# KiCad board panel.kicad_pcb (continued)
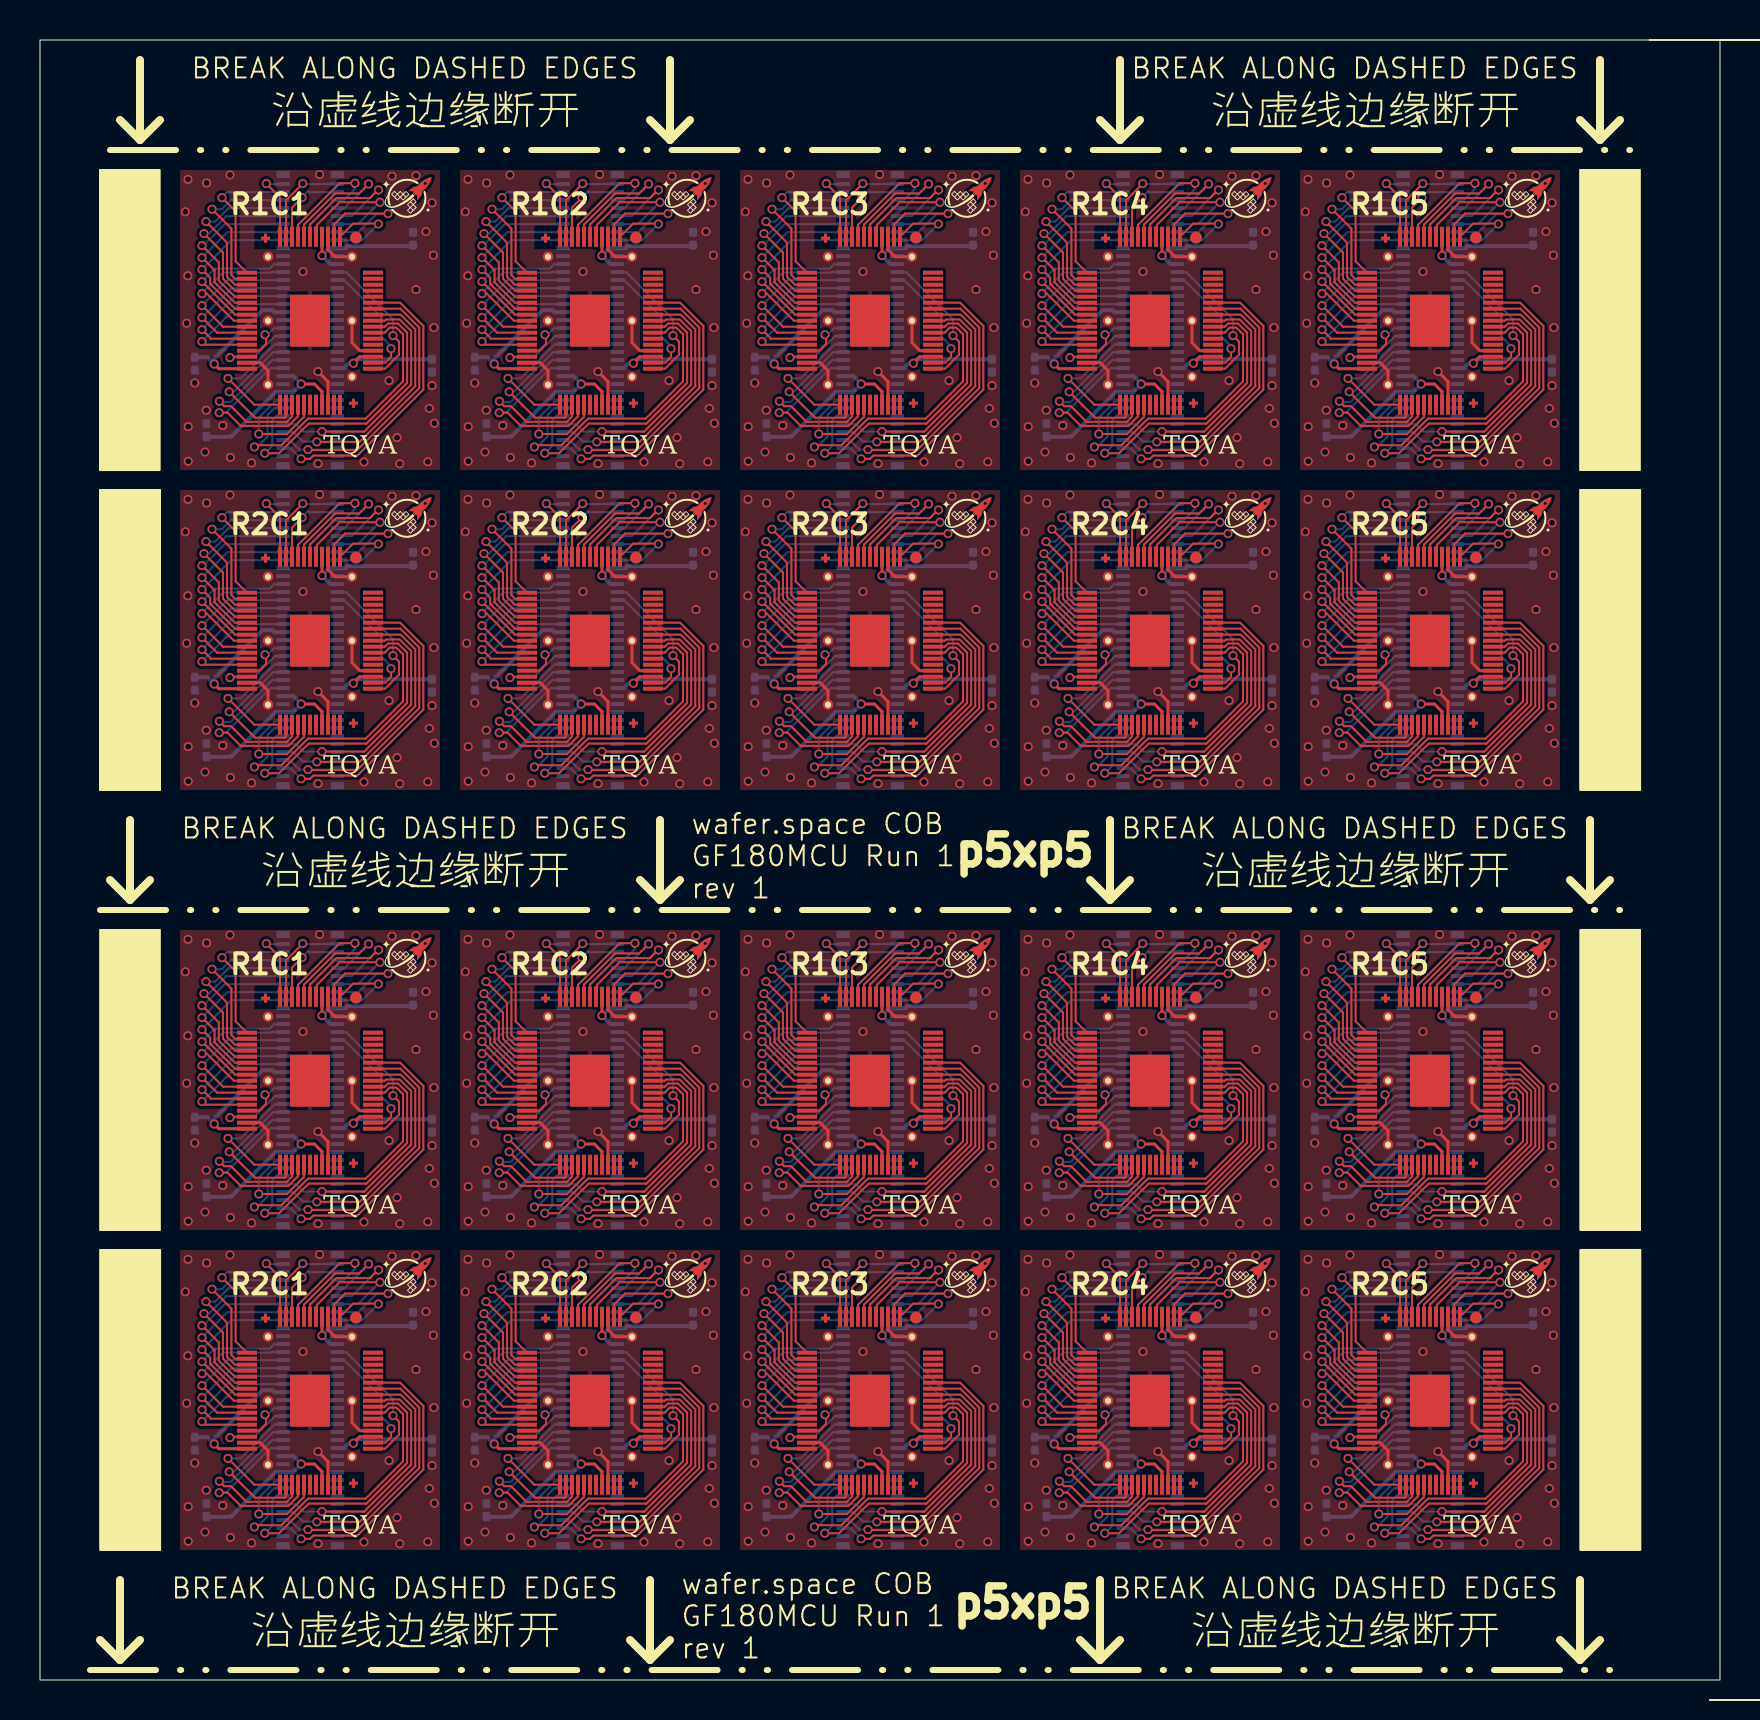
[diagram p0: board, top side]
## Routing (per net, layer and track width the routed paths; a pad name or vN(x,y) marks a point on that pad's centre or on a via; arc(x,y) is an arc through that point) (continued)
VDD_IO_2: length 175.2
  Top w0.15: U110.36 70.1,26.42 69.72,26.8 v1(69.06,26.8) ; v1(55.06,64.8) 55.72,64.8 56.1,64.42 U108#2.36 ; v1(27.06,10.8) 27.72,10.8 28.1,10.42 U114.36 ; v1(41.06,48.8) 41.72,48.8 42.1,48.42 U116.36 ; U118#2.36 56.1,10.42 55.72,10.8 v1(55.06,10.8) ; U106.36 42.1,26.42 41.72,26.8 v1(41.06,26.8) ; U102#2.36 14.1,26.42 13.72,26.8 v1(13.06,26.8) ; U120.36 70.1,48.42 69.72,48.8 v1(69.06,48.8) ; v1(41.06,10.8) 41.72,10.8 42.1,10.42 U116#2.36 ; U104.36 28.1,64.42 27.72,64.8 v1(27.06,64.8) ; v1(41.06,64.8) 41.72,64.8 42.1,64.42 U106#2.36 ; v1(69.06,10.8) 69.72,10.8 70.1,10.42 U120#2.36 ; U118.36 56.1,48.42 55.72,48.8 v1(55.06,48.8) ; v1(27.06,48.8) 27.72,48.8 28.1,48.42 U114#2.36 ; U102.36 14.1,64.42 13.72,64.8 v1(13.06,64.8) ; U108.36 56.1,26.42 55.72,26.8 v1(55.06,26.8) ; U112.36 14.1,48.42 13.72,48.8 v1(13.06,48.8) ; v1(13.06,10.8) 13.72,10.8 14.1,10.42 U112#2.36 ; v1(69.06,64.8) 69.72,64.8 70.1,64.42 U110#2.36 ; U104#2.36 28.1,26.42 27.72,26.8 v1(27.06,26.8)
  Bottom w0.2: C116#2.1 50.33,62.16 51.54,62.16 53.78,64.4 U107.44 54.65,64.4 v1(55.06,64.8) 54.66,65.19 U107.46 ; U111#2.46 12.66,11.2 v1(13.06,10.8) 12.65,10.39 11.78,10.39 9.54,8.16 8.33,8.16 C124.1 ; C132#2.1 36.33,8.16 37.54,8.16 39.78,10.39 40.65,10.39 v1(41.06,10.8) 40.66,11.2 U115#2.46 ; C136.1 50.33,8.16 51.54,8.16 53.78,10.39 54.65,10.39 v1(55.06,10.8) 54.66,11.2 U117.46 ; U119#2.46 68.66,11.2 v1(69.06,10.8) 68.66,10.39 67.78,10.39 65.54,8.16 64.33,8.16 C140.1 ; U119.46 68.66,49.2 v1(69.06,48.8) 68.66,48.39 67.78,48.39 65.54,46.16 64.33,46.16 C140#2.1 ; U113#2.46 26.66,49.2 v1(27.06,48.8) 26.65,48.39 25.78,48.39 23.54,46.16 22.33,46.16 C128.1 ; C120.1 64.33,62.16 65.54,62.16 67.78,64.4 U109.44 68.66,64.4 v1(69.06,64.8) 68.66,65.19 U109.46 ; U105#2.46 40.66,27.2 v1(41.06,26.8) 40.65,26.39 39.78,26.39 37.54,24.16 36.33,24.16 C112.1 ; U107#2.46 54.66,27.2 v1(55.06,26.8) 54.65,26.39 53.78,26.39 51.54,24.16 50.33,24.16 C116.1 ; U115.46 40.66,49.2 v1(41.06,48.8) 40.65,48.39 39.78,48.39 37.54,46.16 36.33,46.16 C132.1 ; U111.46 12.66,49.2 v1(13.06,48.8) 12.65,48.39 11.78,48.39 9.54,46.16 8.33,46.16 C124#2.1 ; C136#2.1 50.33,46.16 51.54,46.16 53.78,48.39 54.65,48.39 v1(55.06,48.8) 54.66,49.2 U117#2.46 ; C120#2.1 64.33,24.16 65.54,24.16 67.78,26.39 68.66,26.39 v1(69.06,26.8) 68.66,27.2 U109#2.46 ; U103.46 26.66,65.19 v1(27.06,64.8) 26.65,64.4 U103.44 25.78,64.4 23.54,62.16 22.33,62.16 C109#2.1 ; U101.46 12.66,65.19 v1(13.06,64.8) 12.65,64.4 U101.44 11.78,64.4 9.54,62.16 8.33,62.16 C108.1 ; C109.1 22.33,24.16 23.54,24.16 25.78,26.39 26.65,26.39 v1(27.06,26.8) 26.66,27.2 U103#2.46 ; C128#2.1 22.33,8.16 23.54,8.16 25.78,10.39 26.65,10.39 v1(27.06,10.8) 26.66,11.2 U113.46 ; U105.46 40.66,65.19 v1(41.06,64.8) 40.65,64.4 U105.44 39.78,64.4 37.54,62.16 36.33,62.16 C112#2.1 ; U101#2.46 12.66,27.2 v1(13.06,26.8) 12.65,26.39 11.78,26.39 9.54,24.16 8.33,24.16 C108#2.1
VDD_IO_3: length 133.1
  Top w0.15: U112#2.4 v1(14.1,17.22) ; U112.4 v1(14.1,55.22) ; U108#2.4 v1(56.1,71.22) ; U106.4 v1(42.1,33.22) ; U104#2.4 v1(28.1,33.22) ; U114#2.4 v1(28.1,55.22) ; U114.4 v1(28.1,17.22) ; U104.4 v1(28.1,71.22) ; U118.4 v1(56.1,55.22) ; U116.4 v1(42.1,55.22) ; U102#2.4 v1(14.1,33.22) ; U120.4 v1(70.1,55.22) ; U102.4 v1(14.1,71.22) ; U110.4 v1(70.1,33.22) ; U116#2.4 v1(42.1,17.22) ; U108.4 v1(56.1,33.22) ; U118#2.4 v1(56.1,17.22) ; U106#2.4 v1(42.1,71.22) ; U120#2.4 v1(70.1,17.22) ; U110#2.4 v1(70.1,71.22)
  Bottom w0.2: U101.11 14.52,70.8 v1(14.1,71.22) 14.48,71.59 U101.9 15.28,71.59 15.38,71.69 18.6,71.69 C102#2.1 ; U111#2.11 14.52,16.8 v1(14.1,17.22) 14.48,17.59 U111#2.9 15.28,17.59 15.38,17.7 18.6,17.7 C122#2.1 ; U117.11 56.52,16.8 v1(56.1,17.22) 56.48,17.59 U117.9 57.28,17.59 57.38,17.7 60.6,17.7 C134.1 ; C118#2.1 74.6,33.7 71.38,33.7 71.28,33.59 U109#2.9 70.47,33.59 v1(70.1,33.22) 70.53,32.8 U109#2.11 ; C134#2.1 60.6,55.7 57.38,55.7 57.28,55.59 U117#2.9 56.48,55.59 v1(56.1,55.22) 56.52,54.8 U117#2.11 ; C110#2.1 46.6,71.69 43.38,71.69 43.28,71.59 U105.9 42.48,71.59 v1(42.1,71.22) 42.52,70.8 U105.11 ; U119.11 70.53,54.8 v1(70.1,55.22) 70.47,55.59 U119.9 71.28,55.59 71.38,55.7 74.6,55.7 C138.1 ; U109.11 70.53,70.8 v1(70.1,71.22) 70.47,71.59 U109.9 71.28,71.59 71.38,71.69 74.6,71.69 C118.1 ; C110.1 46.6,33.7 43.38,33.7 43.28,33.59 U105#2.9 42.48,33.59 v1(42.1,33.22) 42.52,32.8 U105#2.11 ; C114.1 60.6,71.69 57.38,71.69 57.28,71.59 U107.9 56.48,71.59 v1(56.1,71.22) 56.52,70.8 U107.11 ; U119#2.11 70.53,16.8 v1(70.1,17.22) 70.47,17.59 U119#2.9 71.28,17.59 71.38,17.7 74.6,17.7 C138#2.1 ; U103.11 28.52,70.8 v1(28.1,71.22) 28.48,71.59 U103.9 29.28,71.59 29.38,71.69 32.6,71.69 C105#2.1 ; C114#2.1 60.6,33.7 57.38,33.7 57.28,33.59 U107#2.9 56.48,33.59 v1(56.1,33.22) 56.52,32.8 U107#2.11 ; C126#2.1 32.6,55.7 29.38,55.7 29.28,55.59 U113#2.9 28.48,55.59 v1(28.1,55.22) 28.52,54.8 U113#2.11 ; C122.1 18.6,55.7 15.38,55.7 15.28,55.59 U111.9 14.48,55.59 v1(14.1,55.22) 14.52,54.8 U111.11 ; C130.1 46.6,55.7 43.38,55.7 43.28,55.59 U115.9 42.48,55.59 v1(42.1,55.22) 42.52,54.8 U115.11 ; U101#2.11 14.52,32.8 v1(14.1,33.22) 14.48,33.59 U101#2.9 15.28,33.59 15.38,33.7 18.6,33.7 C102.1 ; C105.1 32.6,33.7 29.38,33.7 29.28,33.59 U103#2.9 28.48,33.59 v1(28.1,33.22) 28.52,32.8 U103#2.11 ; U115#2.11 42.52,16.8 v1(42.1,17.22) 42.48,17.59 U115#2.9 43.28,17.59 43.38,17.7 46.6,17.7 C130#2.1 ; C126.1 32.6,17.7 29.38,17.7 29.28,17.59 U113.9 28.48,17.59 v1(28.1,17.22) 28.52,16.8 U113.11
/bidir_0: length 136.4
  Top w0.1: v1(45,73.89) 42.98,73.89 41.85,72.76 41.85,72.68 41.8,72.63 U106#2.5 ; v1(17,35.89) 14.98,35.89 13.85,34.76 13.85,34.68 13.8,34.63 U102#2.5 ; v1(45,57.89) 42.98,57.89 41.85,56.76 41.85,56.68 41.8,56.63 U116.5 ; U104#2.5 27.8,34.63 27.85,34.68 27.85,34.76 28.98,35.89 v1(31,35.89) ; U106.5 41.8,34.63 41.85,34.68 41.85,34.76 42.98,35.89 v1(45,35.89) ; U104.5 27.8,72.63 27.85,72.68 27.85,72.76 28.98,73.89 v1(31,73.89) ; v1(17,73.89) 14.98,73.89 13.85,72.76 13.85,72.68 13.8,72.63 U102.5 ; v1(45,19.89) 42.98,19.89 41.85,18.76 41.85,18.68 41.8,18.63 U116#2.5 ; U120#2.5 69.8,18.63 69.85,18.68 69.85,18.76 70.98,19.89 v1(73,19.89) ; v1(59,57.89) 56.98,57.89 55.85,56.76 55.85,56.68 55.8,56.63 U118.5 ; v1(73,57.89) 70.98,57.89 69.85,56.76 69.85,56.68 69.8,56.63 U120.5 ; v1(73,73.89) 70.98,73.89 69.85,72.76 69.85,72.68 69.8,72.63 U110#2.5 ; v1(59,35.89) 56.98,35.89 55.85,34.76 55.85,34.68 55.8,34.63 U108.5 ; U112.5 13.8,56.63 13.85,56.68 13.85,56.76 14.98,57.89 v1(17,57.89) ; U114#2.5 27.8,56.63 27.85,56.68 27.85,56.76 28.98,57.89 v1(31,57.89) ; U118#2.5 55.8,18.63 55.85,18.68 55.85,18.76 56.98,19.89 v1(59,19.89) ; U108#2.5 55.8,72.63 55.85,72.68 55.85,72.76 56.98,73.89 v1(59,73.89) ; v1(17,19.89) 14.98,19.89 13.85,18.76 13.85,18.68 13.8,18.63 U112#2.5 ; U110.5 69.8,34.63 69.85,34.68 69.85,34.76 70.98,35.89 v1(73,35.89) ; U114.5 27.8,18.63 27.85,18.68 27.85,18.76 28.98,19.89 v1(31,19.89)
  Bottom w0.1: U117.6 57.9,18.8 58.99,19.89 v1(59,19.89) ; U117#2.6 57.9,56.8 58.99,57.89 v1(59,57.89) ; v1(73,57.89) 72.99,57.89 71.9,56.8 U119.6 ; U111#2.6 15.9,18.8 16.99,19.89 v1(17,19.89) ; v1(73,73.89) 72.99,73.89 71.9,72.8 U109.6 ; U113.6 29.9,18.8 30.99,19.89 v1(31,19.89) ; U107.6 57.9,72.8 58.99,73.89 v1(59,73.89) ; v1(73,19.89) 72.99,19.89 71.9,18.8 U119#2.6 ; v1(31,73.89) 30.99,73.89 29.9,72.8 U103.6 ; U107#2.6 57.9,34.8 58.99,35.89 v1(59,35.89) ; U115#2.6 43.9,18.8 44.99,19.89 v1(45,19.89) ; v1(73,35.89) 72.99,35.89 71.9,34.8 U109#2.6 ; v1(17,57.89) 16.99,57.89 15.9,56.8 U111.6 ; U101.6 15.9,72.8 16.99,73.89 v1(17,73.89) ; U105.6 43.9,72.8 44.99,73.89 v1(45,73.89) ; v1(31,57.89) 30.99,57.89 29.9,56.8 U113#2.6 ; U103#2.6 29.9,34.8 30.99,35.89 v1(31,35.89) ; U101#2.6 15.9,34.8 16.99,35.89 v1(17,35.89) ; v1(45,35.89) 44.99,35.89 43.9,34.8 U105#2.6 ; v1(45,57.89) 44.99,57.89 43.9,56.8 U115.6
/bidir_1: length 146.9
  Top w0.1: U114#2.6 27.5,56.77 28.83,58.1 30.5,58.1 30.9,58.5 v1(30.92,58.5) ; U112.6 13.5,56.77 14.83,58.1 16.5,58.1 16.9,58.5 v1(16.92,58.5) ; U118.6 55.5,56.77 56.83,58.1 58.5,58.1 58.9,58.5 v1(58.92,58.5) ; U116.6 41.5,56.77 42.83,58.1 44.5,58.1 44.9,58.5 v1(44.92,58.5) ; v1(16.92,74.5) 16.9,74.5 16.5,74.1 14.83,74.1 13.5,72.77 U102.6 ; U112#2.6 13.5,18.77 14.83,20.1 16.5,20.1 16.9,20.5 v1(16.92,20.5) ; v1(72.92,36.5) 72.9,36.5 72.5,36.1 70.83,36.1 69.5,34.77 U110.6 ; U106#2.6 41.5,72.77 42.83,74.1 44.5,74.1 44.9,74.5 v1(44.92,74.5) ; v1(72.92,20.5) 72.9,20.5 72.5,20.1 70.83,20.1 69.5,18.77 U120#2.6 ; U120.6 69.5,56.77 70.83,58.1 72.5,58.1 72.9,58.5 v1(72.92,58.5) ; U102#2.6 13.5,34.77 14.83,36.1 16.5,36.1 16.9,36.5 v1(16.92,36.5) ; U110#2.6 69.5,72.77 70.83,74.1 72.5,74.1 72.9,74.5 v1(72.92,74.5) ; v1(58.92,36.5) 58.9,36.5 58.5,36.1 56.83,36.1 55.5,34.77 U108.6 ; U116#2.6 41.5,18.77 42.83,20.1 44.5,20.1 44.9,20.5 v1(44.92,20.5) ; U108#2.6 55.5,72.77 56.83,74.1 58.5,74.1 58.9,74.5 v1(58.92,74.5) ; U104.6 27.5,72.77 28.83,74.1 30.5,74.1 30.9,74.5 v1(30.92,74.5) ; U114.6 27.5,18.77 28.83,20.1 30.5,20.1 30.9,20.5 v1(30.92,20.5) ; v1(44.92,36.5) 44.9,36.5 44.5,36.1 42.83,36.1 41.5,34.77 U106.6 ; U118#2.6 55.5,18.77 56.83,20.1 58.5,20.1 58.9,20.5 v1(58.92,20.5) ; v1(30.92,36.5) 30.9,36.5 30.5,36.1 28.83,36.1 27.5,34.77 U104#2.6
  Bottom w0.1: U107.5 57.59,73.19 58.9,74.5 v1(58.92,74.5) ; v1(30.92,20.5) 30.9,20.5 29.59,19.2 U113.5 ; U115.5 43.59,57.2 44.9,58.5 v1(44.92,58.5) ; v1(16.92,20.5) 16.9,20.5 15.59,19.2 U111#2.5 ; v1(44.92,36.5) 44.9,36.5 43.59,35.2 U105#2.5 ; v1(30.92,58.5) 30.9,58.5 29.59,57.2 U113#2.5 ; v1(16.92,74.5) 16.9,74.5 15.59,73.19 U101.5 ; U109#2.5 71.59,35.2 72.9,36.5 v1(72.92,36.5) ; U101#2.5 15.59,35.2 16.9,36.5 v1(16.92,36.5) ; v1(44.92,20.5) 44.9,20.5 43.59,19.2 U115#2.5 ; U119.5 71.59,57.2 72.9,58.5 v1(72.92,58.5) ; U107#2.5 57.59,35.2 58.9,36.5 v1(58.92,36.5) ; U103#2.5 29.59,35.2 30.9,36.5 v1(30.92,36.5) ; v1(72.92,74.5) 72.9,74.5 71.59,73.19 U109.5 ; U117#2.5 57.59,57.2 58.9,58.5 v1(58.92,58.5) ; U117.5 57.59,19.2 58.9,20.5 v1(58.92,20.5) ; v1(30.92,74.5) 30.9,74.5 29.59,73.19 U103.5 ; v1(16.92,58.5) 16.9,58.5 15.59,57.2 U111.5 ; U119#2.5 71.59,19.2 72.9,20.5 v1(72.92,20.5) ; v1(44.92,74.5) 44.9,74.5 43.59,73.19 U105.5
/bidir_2: length 134.8
  Top w0.1: v1(16.43,58.8) 15.96,58.33 14.76,58.33 13.2,56.77 U112.7 ; U104.7 27.2,72.77 28.76,74.33 29.96,74.33 v1(30.43,74.8) ; v1(44.43,58.8) 43.96,58.33 42.76,58.33 41.2,56.77 U116.7 ; v1(58.43,74.8) 57.96,74.33 56.76,74.33 55.2,72.77 U108#2.7 ; v1(16.43,36.8) 15.96,36.33 14.76,36.33 13.2,34.77 U102#2.7 ; v1(72.43,36.8) 71.96,36.33 70.76,36.33 69.2,34.77 U110.7 ; U120.7 69.2,56.77 70.76,58.33 71.96,58.33 v1(72.43,58.8) ; v1(44.43,36.8) 43.96,36.33 42.76,36.33 41.2,34.77 U106.7 ; v1(58.43,58.8) 57.96,58.33 56.76,58.33 55.2,56.77 U118.7 ; v1(44.43,74.8) 43.96,74.33 42.76,74.33 41.2,72.77 U106#2.7 ; v1(16.43,74.8) 15.96,74.33 14.76,74.33 13.2,72.77 U102.7 ; U114#2.7 27.2,56.77 28.76,58.33 29.96,58.33 v1(30.43,58.8) ; U118#2.7 55.2,18.77 56.76,20.33 57.96,20.33 v1(58.43,20.8) ; v1(30.43,36.8) 29.96,36.33 28.76,36.33 27.2,34.77 U104#2.7 ; v1(58.43,36.8) 57.96,36.33 56.76,36.33 55.2,34.77 U108.7 ; U110#2.7 69.2,72.77 70.76,74.33 71.96,74.33 v1(72.43,74.8) ; U120#2.7 69.2,18.77 70.76,20.33 71.96,20.33 v1(72.43,20.8) ; v1(16.43,20.8) 15.96,20.33 14.76,20.33 13.2,18.77 U112#2.7 ; U116#2.7 41.2,18.77 42.76,20.33 43.96,20.33 v1(44.43,20.8) ; U114.7 27.2,18.77 28.76,20.33 29.96,20.33 v1(30.43,20.8)
  Bottom w0.1: v1(16.43,74.8) 15.23,73.59 U101.4 ; U113.4 29.23,19.59 v1(30.43,20.8) ; v1(16.43,20.8) 15.23,19.59 U111#2.4 ; U103#2.4 29.23,35.59 v1(30.43,36.8) ; U109#2.4 71.22,35.59 v1(72.43,36.8) ; U107#2.4 57.23,35.59 v1(58.43,36.8) ; U103.4 29.23,73.59 v1(30.43,74.8) ; v1(72.43,74.8) 71.22,73.59 U109.4 ; v1(16.43,36.8) 15.23,35.59 U101#2.4 ; v1(44.43,74.8) 43.23,73.59 U105.4 ; v1(44.43,58.8) 43.23,57.59 U115.4 ; v1(44.43,36.8) 43.23,35.59 U105#2.4 ; U117#2.4 57.23,57.59 v1(58.43,58.8) ; v1(72.43,20.8) 71.22,19.59 U119#2.4 ; v1(30.43,58.8) 29.23,57.59 U113#2.4 ; v1(72.43,58.8) 71.22,57.59 U119.4 ; U111.4 15.23,57.59 v1(16.43,58.8) ; v1(58.43,74.8) 57.23,73.59 U107.4 ; U115#2.4 43.23,19.59 v1(44.43,20.8) ; U117.4 57.23,19.59 v1(58.43,20.8)
/bidir_3: length 114.3
  Top w0.1: U116.8 40.9,56.76 42.98,58.84 v1(43.75,58.84) ; v1(71.75,20.84) 70.98,20.84 68.9,18.76 U120#2.8 ; U108.8 54.9,34.76 56.98,36.84 v1(57.75,36.84) ; U112#2.8 12.9,18.76 14.98,20.84 v1(15.75,20.84) ; U118.8 54.9,56.76 56.98,58.84 v1(57.75,58.84) ; U106.8 40.9,34.76 42.98,36.84 v1(43.75,36.84) ; U104#2.8 26.9,34.76 28.98,36.84 v1(29.75,36.84) ; U114#2.8 26.9,56.76 28.98,58.84 v1(29.75,58.84) ; v1(15.75,74.84) 14.98,74.84 12.9,72.76 U102.8 ; v1(29.75,20.84) 28.98,20.84 26.9,18.76 U114.8 ; U104.8 26.9,72.76 28.98,74.84 v1(29.75,74.84) ; U116#2.8 40.9,18.76 42.98,20.84 v1(43.75,20.84) ; U106#2.8 40.9,72.76 42.98,74.84 v1(43.75,74.84) ; v1(71.75,36.84) 70.98,36.84 68.9,34.76 U110.8 ; v1(57.75,20.84) 56.98,20.84 54.9,18.76 U118#2.8 ; U110#2.8 68.9,72.76 70.98,74.84 v1(71.75,74.84) ; U102#2.8 12.9,34.76 14.98,36.84 v1(15.75,36.84) ; U108#2.8 54.9,72.76 56.98,74.84 v1(57.75,74.84) ; U112.8 12.9,56.76 14.98,58.84 v1(15.75,58.84) ; U120.8 68.9,56.76 70.98,58.84 v1(71.75,58.84)
  Bottom w0.1: v1(57.75,20.84) 57.75,20.54 57.2,20 U117.3 ; U119.3 71.2,58 71.75,58.54 v1(71.75,58.84) ; v1(71.75,74.84) 71.75,74.54 71.2,74 U109.3 ; v1(29.75,36.84) 29.75,36.54 29.2,36 U103#2.3 ; v1(43.75,74.84) 43.75,74.54 43.2,74 U105.3 ; U109#2.3 71.2,36 71.75,36.54 v1(71.75,36.84) ; U111#2.3 15.2,20 15.75,20.54 v1(15.75,20.84) ; U101.3 15.2,74 15.75,74.54 v1(15.75,74.84) ; v1(15.75,58.84) 15.75,58.54 15.2,58 U111.3 ; v1(29.75,74.84) 29.75,74.54 29.2,74 U103.3 ; v1(71.75,20.84) 71.75,20.54 71.2,20 U119#2.3 ; v1(43.75,20.84) 43.75,20.54 43.2,20 U115#2.3 ; v1(57.75,58.84) 57.75,58.54 57.2,58 U117#2.3 ; v1(57.75,36.84) 57.75,36.54 57.2,36 U107#2.3 ; U113#2.3 29.2,58 29.75,58.54 v1(29.75,58.84) ; U113.3 29.2,20 29.75,20.54 v1(29.75,20.84) ; v1(43.75,36.84) 43.75,36.54 43.2,36 U105#2.3 ; U101#2.3 15.2,36 15.75,36.54 v1(15.75,36.84) ; v1(57.75,74.84) 57.75,74.54 57.2,74 U107.3 ; v1(43.75,58.84) 43.75,58.54 43.2,58 U115.3
/bidir_4: length 80.8
  Top w0.1: v1(13.1,36.12) 12.6,35.62 U102#2.9 ; U118#2.9 54.6,19.62 v1(55.1,20.12) ; U106.9 40.6,35.62 v1(41.1,36.12) ; U116.9 40.6,57.62 v1(41.1,58.12) ; v1(13.1,74.12) 12.6,73.62 U102.9 ; U108.9 54.6,35.62 v1(55.1,36.12) ; v1(55.1,74.12) 54.6,73.62 U108#2.9 ; v1(27.1,58.12) 26.6,57.62 U114#2.9 ; v1(69.1,58.12) 68.6,57.62 U120.9 ; v1(13.1,20.12) 12.6,19.62 U112#2.9 ; U104#2.9 26.6,35.62 v1(27.1,36.12) ; v1(27.1,74.12) 26.6,73.62 U104.9 ; U114.9 26.6,19.62 v1(27.1,20.12) ; v1(69.1,20.12) 68.6,19.62 U120#2.9 ; v1(69.1,74.12) 68.6,73.62 U110#2.9 ; U112.9 12.6,57.62 v1(13.1,58.12) ; U106#2.9 40.6,73.62 v1(41.1,74.12) ; v1(41.1,20.12) 40.6,19.62 U116#2.9 ; U110.9 68.6,35.62 v1(69.1,36.12) ; v1(55.1,58.12) 54.6,57.62 U118.9
  Bottom w0.1: v1(27.1,74.12) 27.37,74.4 U103.2 ; 42.87,58.39 41.37,58.39 v1(41.1,58.12) ; 14.87,58.39 13.37,58.39 v1(13.1,58.12) ; v1(27.1,20.12) 27.37,20.39 28.87,20.39 ; v1(69.1,58.12) 69.38,58.39 70.87,58.39 ; 56.87,36.39 55.37,36.39 v1(55.1,36.12) ; 14.87,36.39 13.37,36.39 v1(13.1,36.12) ; U107.2 55.37,74.4 v1(55.1,74.12) ; v1(69.1,20.12) 69.38,20.39 70.87,20.39 ; 42.87,20.39 41.37,20.39 v1(41.1,20.12) ; v1(27.1,36.12) 27.37,36.39 28.87,36.39 ; v1(41.1,36.12) 41.37,36.39 42.87,36.39 ; U105.2 41.37,74.4 v1(41.1,74.12) ; v1(55.1,20.12) 55.37,20.39 56.87,20.39 ; 28.87,58.39 27.37,58.39 v1(27.1,58.12) ; 70.87,36.39 69.38,36.39 v1(69.1,36.12) ; v1(55.1,58.12) 55.37,58.39 56.87,58.39 ; v1(13.1,74.12) 13.37,74.4 U101.2 ; v1(69.1,74.12) 69.38,74.4 U109.2 ; 14.87,20.39 13.37,20.39 v1(13.1,20.12)
/bidir_5: length 94.8
  Top w0.1: U114#2.10 26.3,57.98 v1(27.14,58.82) ; U110.10 68.3,35.98 v1(69.14,36.82) ; U112#2.10 12.3,19.98 v1(13.14,20.82) ; U114.10 26.3,19.98 v1(27.14,20.82) ; U112.10 12.3,57.98 v1(13.14,58.82) ; v1(27.14,36.82) 26.3,35.98 U104#2.10 ; U102#2.10 12.3,35.98 v1(13.14,36.82) ; U104.10 26.3,73.98 v1(27.14,74.82) ; U120#2.10 68.3,19.98 v1(69.14,20.82) ; U118.10 54.3,57.98 v1(55.14,58.82) ; v1(69.14,74.82) 68.3,73.98 U110#2.10 ; v1(55.14,74.82) 54.3,73.98 U108#2.10 ; v1(41.14,20.82) 40.3,19.98 U116#2.10 ; v1(55.14,20.82) 54.3,19.98 U118#2.10 ; U102.10 12.3,73.98 v1(13.14,74.82) ; v1(69.14,58.82) 68.3,57.98 U120.10 ; U108.10 54.3,35.98 v1(55.14,36.82) ; v1(41.14,58.82) 40.3,57.98 U116.10 ; U106#2.10 40.3,73.98 v1(41.14,74.82) ; U106.10 40.3,35.98 v1(41.14,36.82)
  Bottom w0.1: U109.1 69.16,74.8 v1(69.14,74.82) ; U103.1 27.16,74.8 v1(27.14,74.82) ; v1(41.14,74.82) 41.16,74.8 U105.1 ; v1(13.14,58.82) 13.16,58.8 U111.1 ; v1(69.14,20.82) 69.16,20.8 U119#2.1 ; U117.1 55.16,20.8 v1(55.14,20.82) ; U111#2.1 13.16,20.8 v1(13.14,20.82) ; U101#2.1 13.16,36.8 v1(13.14,36.82) ; U103#2.1 27.16,36.8 v1(27.14,36.82) ; U107#2.1 55.16,36.8 v1(55.14,36.82) ; v1(55.14,74.82) 55.16,74.8 U107.1 ; v1(13.14,74.82) 13.16,74.8 U101.1 ; v1(55.14,58.82) 55.16,58.8 U117#2.1 ; U105#2.1 41.16,36.8 v1(41.14,36.82) ; v1(41.14,58.82) 41.16,58.8 U115.1 ; U109#2.1 69.16,36.8 v1(69.14,36.82) ; U113#2.1 27.16,58.8 v1(27.14,58.82) ; v1(41.14,20.82) 41.16,20.8 U115#2.1 ; v1(27.14,20.82) 27.16,20.8 U113.1 ; v1(69.14,58.82) 69.16,58.8 U119.1
/bidir_6: length 75.8
  Top w0.1: U116#2.11 40,20.14 v1(39.32,20.82) ; U104.11 26,74.14 v1(25.32,74.82) ; v1(39.32,74.82) 40,74.14 U106#2.11 ; U120#2.11 68,20.14 v1(67.32,20.82) ; U112.11 12,58.14 v1(11.32,58.82) ; U102#2.11 12,36.14 v1(11.32,36.82) ; U114.11 26,20.14 v1(25.32,20.82) ; U118#2.11 54,20.14 v1(53.32,20.82) ; v1(67.32,36.82) 68,36.14 U110.11 ; v1(53.32,36.82) 54,36.14 U108.11 ; v1(25.32,58.82) 26,58.14 U114#2.11 ; v1(25.32,36.82) 26,36.14 U104#2.11 ; U110#2.11 68,74.14 v1(67.32,74.82) ; U102.11 12,74.14 v1(11.32,74.82) ; U116.11 40,58.14 v1(39.32,58.82) ; U118.11 54,58.14 v1(53.32,58.82) ; U120.11 68,58.14 v1(67.32,58.82) ; U112#2.11 12,20.14 v1(11.32,20.82) ; v1(39.32,36.82) 40,36.14 U106.11 ; U108#2.11 54,74.14 v1(53.32,74.82)
  Bottom w0.1: v1(67.32,20.82) 67.34,20.8 U119#2.70 ; U111#2.70 11.34,20.8 v1(11.32,20.82) ; v1(25.32,74.82) 25.34,74.8 U103.70 ; v1(39.32,20.82) 39.34,20.8 U115#2.70 ; U101#2.70 11.34,36.8 v1(11.32,36.82) ; U117.70 53.34,20.8 v1(53.32,20.82) ; v1(25.32,36.82) 25.34,36.8 U103#2.70 ; U115.70 39.34,58.8 v1(39.32,58.82) ; U113#2.70 25.34,58.8 v1(25.32,58.82) ; v1(39.32,36.82) 39.34,36.8 U105#2.70 ; v1(53.32,58.82) 53.34,58.8 U117#2.70 ; U113.70 25.34,20.8 v1(25.32,20.82) ; U105.70 39.34,74.8 v1(39.32,74.82) ; U109.70 67.34,74.8 v1(67.32,74.82) ; U119.70 67.34,58.8 v1(67.32,58.82) ; v1(53.32,36.82) 53.34,36.8 U107#2.70 ; U101.70 11.34,74.8 v1(11.32,74.82) ; U109#2.70 67.34,36.8 v1(67.32,36.82) ; v1(11.32,58.82) 11.34,58.8 U111.70 ; v1(53.32,74.82) 53.34,74.8 U107.70
/bidir_7: length 148.8
  Top w0.1: v1(65.1,20.12) 65.78,19.44 65.78,16.94 U120#2.12 ; U104#2.12 23.78,32.94 23.78,35.44 v1(23.1,36.12) ; U118#2.12 51.78,16.94 51.78,19.44 v1(51.1,20.12) ; U110#2.12 65.78,70.94 65.78,73.44 v1(65.1,74.12) ; v1(9.1,74.12) 9.78,73.44 9.78,70.94 U102.12 ; v1(65.1,58.12) 65.78,57.44 65.78,54.94 U120.12 ; v1(37.1,74.12) 37.78,73.44 37.78,70.94 U106#2.12 ; U102#2.12 9.78,32.94 9.78,35.44 v1(9.1,36.12) ; U114#2.12 23.78,54.94 23.78,57.44 v1(23.1,58.12) ; v1(23.1,74.12) 23.78,73.44 23.78,70.94 U104.12 ; U118.12 51.78,54.94 51.78,57.44 v1(51.1,58.12) ; v1(37.1,36.12) 37.78,35.44 37.78,32.94 U106.12 ; v1(65.1,36.12) 65.78,35.44 65.78,32.94 U110.12 ; v1(23.1,20.12) 23.78,19.44 23.78,16.94 U114.12 ; v1(51.1,74.12) 51.78,73.44 51.78,70.94 U108#2.12 ; v1(51.1,36.12) 51.78,35.44 51.78,32.94 U108.12 ; v1(9.1,58.12) 9.78,57.44 9.78,54.94 U112.12 ; U116.12 37.78,54.94 37.78,57.44 v1(37.1,58.12) ; v1(37.1,20.12) 37.78,19.44 37.78,16.94 U116#2.12 ; v1(9.1,20.12) 9.78,19.44 9.78,16.94 U112#2.12
  Bottom w0.1: 40.15,58.39 37.38,58.39 v1(37.1,58.12) ; 68.16,58.39 65.38,58.39 v1(65.1,58.12) ; v1(65.1,20.12) 65.38,20.39 68.16,20.39 ; v1(23.1,36.12) 23.38,36.39 26.15,36.39 ; v1(65.1,74.12) 65.38,74.4 U109.69 ; v1(51.1,20.12) 51.38,20.39 54.15,20.39 ; v1(37.1,36.12) 37.38,36.39 40.15,36.39 ; 12.15,20.39 9.38,20.39 v1(9.1,20.12) ; 26.15,58.39 23.38,58.39 v1(23.1,58.12) ; v1(23.1,74.12) 23.38,74.4 U103.69 ; v1(51.1,58.12) 51.38,58.39 54.15,58.39 ; U105.69 37.38,74.4 v1(37.1,74.12) ; v1(51.1,36.12) 51.38,36.39 54.15,36.39 ; 12.15,36.39 9.38,36.39 v1(9.1,36.12) ; v1(9.1,58.12) 9.38,58.39 12.15,58.39 ; v1(65.1,36.12) 65.38,36.39 68.16,36.39 ; v1(51.1,74.12) 51.38,74.4 U107.69 ; v1(9.1,74.12) 9.38,74.4 U101.69 ; 40.15,20.39 37.38,20.39 v1(37.1,20.12) ; v1(23.1,20.12) 23.38,20.39 26.15,20.39
/bidir_8: length 166
  Top w0.1: v1(64.6,57.54) 65.57,56.57 65.57,54.24 65.74,54.06 U120.13 ; v1(22.6,73.54) 23.57,72.57 23.57,70.24 23.74,70.06 U104.13 ; U118#2.13 51.74,16.06 51.57,16.24 51.57,18.57 v1(50.6,19.54) ; v1(8.6,73.54) 9.57,72.57 9.57,70.24 9.74,70.06 U102.13 ; U108#2.13 51.74,70.06 51.57,70.24 51.57,72.57 v1(50.6,73.54) ; U104#2.13 23.74,32.06 23.57,32.24 23.57,34.57 v1(22.6,35.54) ; v1(22.6,57.54) 23.57,56.57 23.57,54.24 23.74,54.06 U114#2.13 ; U120#2.13 65.74,16.06 65.57,16.24 65.57,18.57 v1(64.6,19.54) ; U116#2.13 37.74,16.06 37.57,16.24 37.57,18.57 v1(36.6,19.54) ; U110#2.13 65.74,70.06 65.57,70.24 65.57,72.57 v1(64.6,73.54) ; v1(22.6,19.54) 23.57,18.57 23.57,16.24 23.74,16.06 U114.13 ; v1(8.6,19.54) 9.57,18.57 9.57,16.24 9.74,16.06 U112#2.13 ; U108.13 51.74,32.06 51.57,32.24 51.57,34.57 v1(50.6,35.54) ; v1(8.6,57.54) 9.57,56.57 9.57,54.24 9.74,54.06 U112.13 ; U116.13 37.74,54.06 37.57,54.24 37.57,56.57 v1(36.6,57.54) ; v1(64.6,35.54) 65.57,34.57 65.57,32.24 65.74,32.06 U110.13 ; v1(8.6,35.54) 9.57,34.57 9.57,32.24 9.74,32.06 U102#2.13 ; v1(50.6,57.54) 51.57,56.57 51.57,54.24 51.74,54.06 U118.13 ; v1(36.6,73.54) 37.57,72.57 37.57,70.24 37.74,70.06 U106#2.13 ; U106.13 37.74,32.06 37.57,32.24 37.57,34.57 v1(36.6,35.54)
  Bottom w0.1: v1(36.6,57.54) 37.09,57.54 37.54,58 U115.68 ; U119#2.68 65.54,20 65.09,19.54 v1(64.6,19.54) ; v1(36.6,35.54) 37.09,35.54 37.54,36 U105#2.68 ; U113.68 23.54,20 23.09,19.54 v1(22.6,19.54) ; v1(22.6,57.54) 23.09,57.54 23.54,58 U113#2.68 ; v1(36.6,19.54) 37.09,19.54 37.54,20 U115#2.68 ; U103#2.68 23.54,36 23.09,35.54 v1(22.6,35.54) ; v1(64.6,57.54) 65.09,57.54 65.54,58 U119.68 ; v1(50.6,19.54) 51.09,19.54 51.54,20 U117.68 ; U109.68 65.54,74 65.09,73.54 v1(64.6,73.54) ; U111.68 9.54,58 9.09,57.54 v1(8.6,57.54) ; U101#2.68 9.54,36 9.09,35.54 v1(8.6,35.54) ; U107.68 51.54,74 51.09,73.54 v1(50.6,73.54) ; U109#2.68 65.54,36 65.09,35.54 v1(64.6,35.54) ; v1(8.6,19.54) 9.09,19.54 9.54,20 U111#2.68 ; U107#2.68 51.54,36 51.09,35.54 v1(50.6,35.54) ; v1(36.6,73.54) 37.09,73.54 37.54,74 U105.68 ; U117#2.68 51.54,58 51.09,57.54 v1(50.6,57.54) ; U101.68 9.54,74 9.09,73.54 v1(8.6,73.54) ; v1(22.6,73.54) 23.09,73.54 23.54,74 U103.68
/bidir_9: length 169.8
  Top w0.1: v1(64.3,56.92) 65.35,55.87 65.35,54.16 65.75,53.77 U120.14 ; v1(22.3,72.92) 23.35,71.87 23.35,70.16 23.75,69.77 U104.14 ; v1(64.3,34.92) 65.35,33.87 65.35,32.16 65.75,31.77 U110.14 ; v1(50.3,18.92) 51.35,17.87 51.35,16.16 51.75,15.77 U118#2.14 ; v1(36.3,56.92) 37.35,55.87 37.35,54.16 37.75,53.77 U116.14 ; v1(64.3,72.92) 65.35,71.87 65.35,70.16 65.75,69.77 U110#2.14 ; v1(22.3,18.92) 23.35,17.87 23.35,16.16 23.75,15.77 U114.14 ; U118.14 51.75,53.77 51.35,54.16 51.35,55.87 v1(50.3,56.92) ; v1(36.3,34.92) 37.35,33.87 37.35,32.16 37.75,31.77 U106.14 ; U112#2.14 9.75,15.77 9.35,16.16 9.35,17.87 v1(8.3,18.92) ; v1(50.3,72.92) 51.35,71.87 51.35,70.16 51.75,69.77 U108#2.14 ; U108.14 51.75,31.77 51.35,32.16 51.35,33.87 v1(50.3,34.92) ; U112.14 9.75,53.77 9.35,54.16 9.35,55.87 v1(8.3,56.92) ; U102#2.14 9.75,31.77 9.35,32.16 9.35,33.87 v1(8.3,34.92) ; U116#2.14 37.75,15.77 37.35,16.16 37.35,17.87 v1(36.3,18.92) ; U120#2.14 65.75,15.77 65.35,16.16 65.35,17.87 v1(64.3,18.92) ; U104#2.14 23.75,31.77 23.35,32.16 23.35,33.87 v1(22.3,34.92) ; v1(8.3,72.92) 9.35,71.87 9.35,70.16 9.75,69.77 U102.14 ; v1(36.3,72.92) 37.35,71.87 37.35,70.16 37.75,69.77 U106#2.14 ; U114#2.14 23.75,53.77 23.35,54.16 23.35,55.87 v1(22.3,56.92)
  Bottom w0.1: U103.67 23.43,73.59 22.76,72.92 v1(22.3,72.92) ; v1(50.3,72.92) 50.76,72.92 51.43,73.59 U107.67 ; v1(64.3,34.92) 64.76,34.92 65.43,35.59 U109#2.67 ; v1(36.3,34.92) 36.76,34.92 37.43,35.59 U105#2.67 ; v1(8.3,72.92) 8.76,72.92 9.43,73.59 U101.67 ; v1(8.3,18.92) 8.76,18.92 9.43,19.59 U111#2.67 ; v1(36.3,72.92) 36.76,72.92 37.43,73.59 U105.67 ; U119#2.67 65.43,19.59 64.76,18.92 v1(64.3,18.92) ; U107#2.67 51.43,35.59 50.76,34.92 v1(50.3,34.92) ; v1(64.3,72.92) 64.76,72.92 65.43,73.59 U109.67 ; U113.67 23.43,19.59 22.76,18.92 v1(22.3,18.92) ; U117#2.67 51.43,57.59 50.76,56.92 v1(50.3,56.92) ; v1(36.3,18.92) 36.76,18.92 37.43,19.59 U115#2.67 ; U115.67 37.43,57.59 36.76,56.92 v1(36.3,56.92) ; v1(8.3,56.92) 8.76,56.92 9.43,57.59 U111.67 ; v1(50.3,18.92) 50.76,18.92 51.43,19.59 U117.67 ; U103#2.67 23.43,35.59 22.76,34.92 v1(22.3,34.92) ; v1(64.3,56.92) 64.76,56.92 65.43,57.59 U119.67 ; v1(8.3,34.92) 8.76,34.92 9.43,35.59 U101#2.67 ; U113#2.67 23.43,57.59 22.76,56.92 v1(22.3,56.92)
/bidir_10: length 168.3
  Top w0.1: v1(8.2,34.32) 9.15,33.37 9.15,32.06 9.75,31.47 U102#2.15 ; v1(64.2,72.32) 65.15,71.37 65.15,70.06 65.75,69.47 U110#2.15 ; v1(22.2,56.32) 23.15,55.37 23.15,54.06 23.75,53.47 U114#2.15 ; U110.15 65.75,31.47 65.15,32.06 65.15,33.37 v1(64.2,34.32) ; v1(36.2,56.32) 37.15,55.37 37.15,54.06 37.75,53.47 U116.15 ; U104.15 23.75,69.47 23.15,70.06 23.15,71.37 v1(22.2,72.32) ; U108#2.15 51.75,69.47 51.15,70.06 51.15,71.37 v1(50.2,72.32) ; U106#2.15 37.75,69.47 37.15,70.06 37.15,71.37 v1(36.2,72.32) ; v1(36.2,18.32) 37.15,17.37 37.15,16.06 37.75,15.47 U116#2.15 ; v1(8.2,18.32) 9.15,17.37 9.15,16.06 9.75,15.47 U112#2.15 ; U120.15 65.75,53.47 65.15,54.06 65.15,55.37 v1(64.2,56.32) ; U120#2.15 65.75,15.47 65.15,16.06 65.15,17.37 v1(64.2,18.32) ; U108.15 51.75,31.47 51.15,32.06 51.15,33.37 v1(50.2,34.32) ; U106.15 37.75,31.47 37.15,32.06 37.15,33.37 v1(36.2,34.32) ; v1(8.2,56.32) 9.15,55.37 9.15,54.06 9.75,53.47 U112.15 ; U114.15 23.75,15.47 23.15,16.06 23.15,17.37 v1(22.2,18.32) ; v1(50.2,56.32) 51.15,55.37 51.15,54.06 51.75,53.47 U118.15 ; U118#2.15 51.75,15.47 51.15,16.06 51.15,17.37 v1(50.2,18.32) ; U102.15 9.75,69.47 9.15,70.06 9.15,71.37 v1(8.2,72.32) ; v1(22.2,34.32) 23.15,33.37 23.15,32.06 23.75,31.47 U104#2.15